# KiCad board phnx.kicad_pcb (continued)
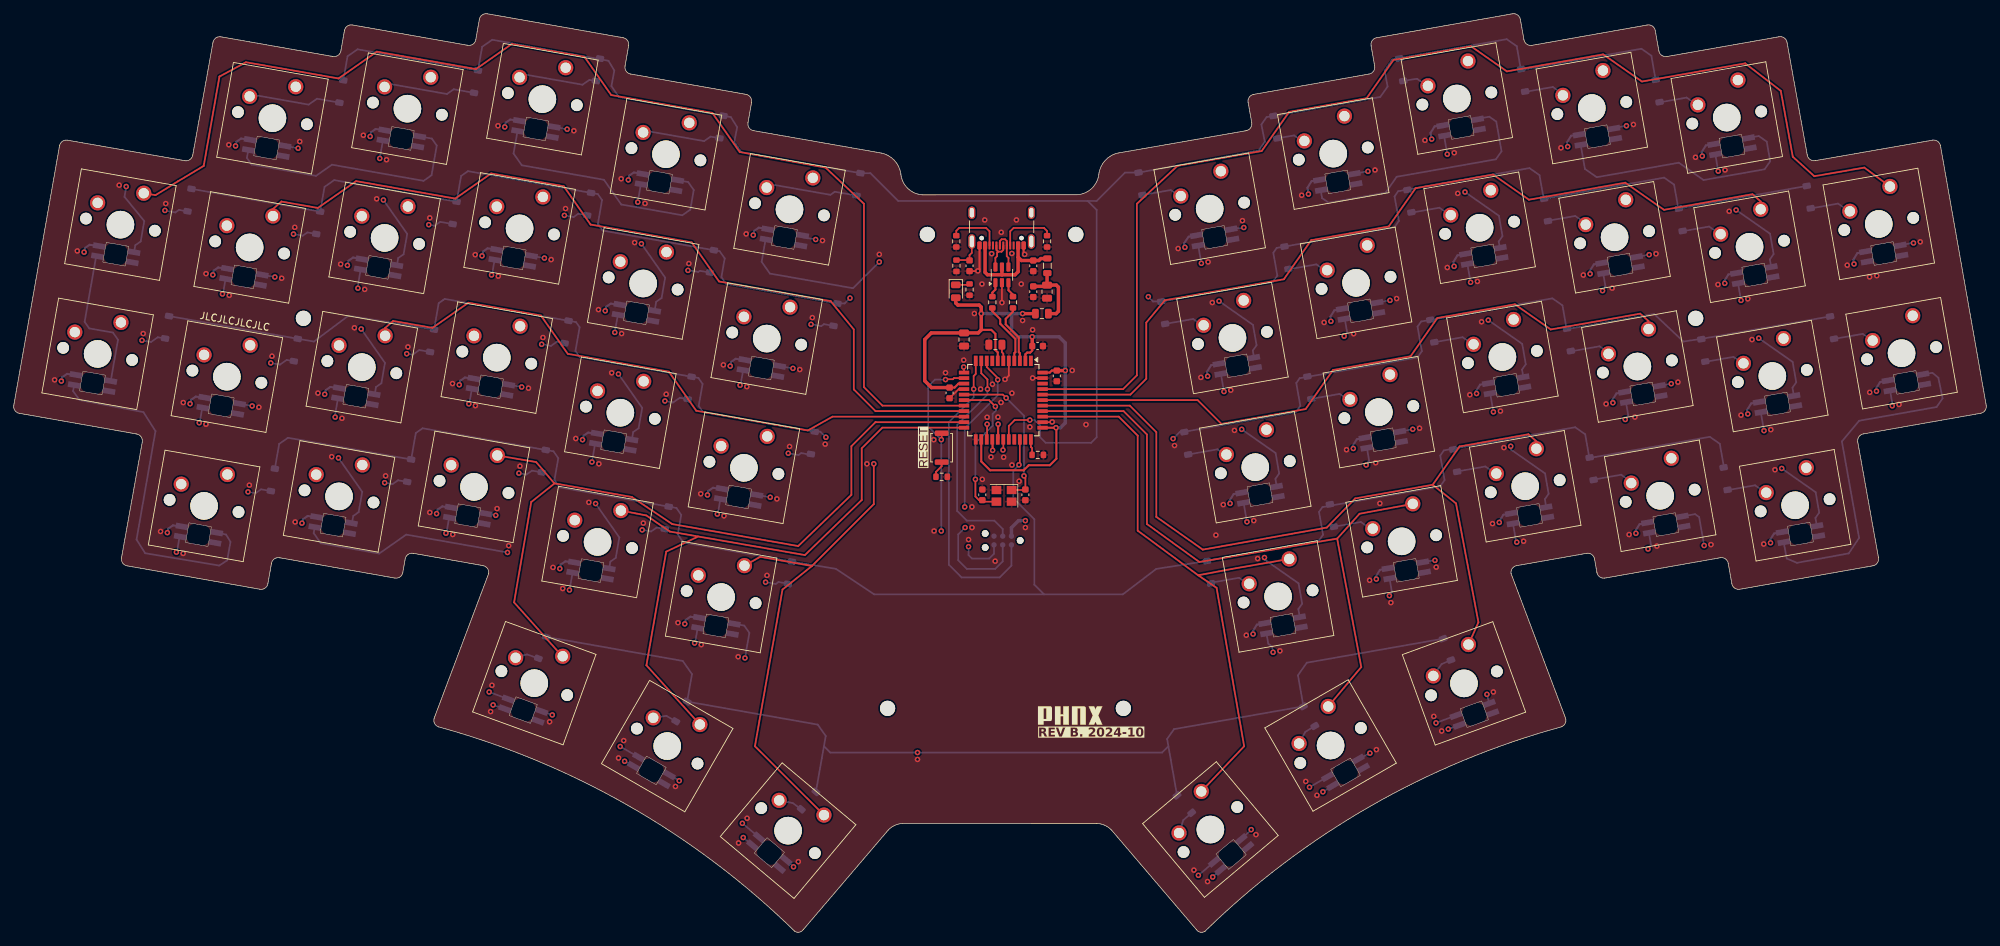
[diagram p0: board, top side]
## Routing (per net, layer and track width the routed paths; a pad name or vN(x,y) marks a point on that pad's centre or on a via; arc(x,y) is an arc through that point) (continued)
XTAL1: length 22.7
  Top w0.25: U1.17 141.54,77.24 v1(142.46,76.32) ; v1(139.57,65.74) 139.57,63.24 140.09,62.72 C10.2 140.79,62.49 Y2.3
  Bottom w0.25: v1(139.57,65.74) 139.57,71.03 142.07,73.53 142.07,75.24 142.57,75.74 142.57,76.21 v1(142.46,76.32)
XTAL2: length 22.8
  Top w0.25: Y2.1 146.74,64.19 C11.2 146.82,65.93 v1(146.61,66.24) ; v1(144.03,77.55) 143.55,78.04 U1.16
  Bottom w0.25: v1(144.03,77.55) 146.61,74.97 v1(146.61,66.24)
Net-(D109-K): length 2.1
  Top w0.25: D109.1 138.57,93.98 R8.1
Net-(D402-A): length 13.5
  In2.Cu w0.3: 12.22,105.86 12.92,106.36 21.98,104.76
  Bottom w0.25: 25.21,104.63 23.98,104.85 23.46,104.49 21.93,104.75
  vias: v1(21.93,104.77)
Net-(D403-A): length 13.9
  In2.Cu w0.3: 8.69,87.04 8.79,87.02 9.5,87.52 18.64,85.9 18.64,85.89
  Bottom w0.25: 21.93,86.18 20.9,86.37 19.91,85.68 18.58,85.91
  vias: v1(18.61,85.91)
Net-(D405-A): length 13.6
  Bottom w0.25: D405.2 44.01,120.99 42.79,120.14 34.59,121.58 SW405.2
Net-(D406-A): length 13.6
  In2.Cu w0.3: v1(40.59,101.34) 31.47,102.95 30.9,102.55 30.88,102.43
  Bottom w0.25: D406.2 42.61,101.58 41.93,101.11 v1(40.59,101.34)
Net-(D407-A): length 13.9
  In2.Cu w0.3: 27.34,83.77 27.51,83.74 28.22,84.23 v1(37.29,82.63)
  Bottom w0.25: D407.2 39.6,83.08 38.63,82.4 v1(37.29,82.63)
Net-(D408-A): length 13.8
  In2.Cu w0.3: v1(33.99,63.92) 24.97,65.51 24.26,65.02 24.04,65.05
  Bottom w0.25: v1(33.99,63.92) 35.09,63.73 35.89,64.29 D408.2
Net-(D409-A): length 13.5
  Bottom w0.25: D409.2 63.85,122.36 62.86,121.67 54.45,123.16 SW409.2
Net-(D410-A): length 13.7
  In2.Cu w0.3: 50.67,103.77 50.72,104.1 51.05,104.32 v1(60.23,102.71)
  Bottom w0.25: D410.2 61.88,103.12 61.08,102.56 v1(60.23,102.71)
Net-(D411-A): length 13.8
  In2.Cu w0.3: 47.37,85.06 47.42,85.34 47.8,85.6 v1(57.03,83.98)
  Bottom w0.25: v1(57.03,83.98) 57.88,83.83 58.85,84.51 D411.2
Net-(D412-A): length 13.8
  In2.Cu w0.3: v1(53.82,65.25) 44.55,66.88 43.84,66.39 43.82,66.39
  Bottom w0.25: D412.2 55.77,65.61 54.97,65.05 v1(53.82,65.25)
Net-(D413-A): length 11.6
  Bottom w0.25: SW413.2 74.03,124.53 82.54,123.03 83.53,123.72 D413.2
Net-(D414-A): length 13.7
  In2.Cu w0.3: 70.2,105.15 70.25,105.44 70.62,105.7 v1(79.91,104.06)
  Bottom w0.25: v1(79.91,104.06) 81.25,103.82 81.93,104.3 D414.2
Net-(D415-A): length 13.8
  In2.Cu w0.3: v1(76.61,85.35) 67.37,86.98 66.66,86.48 66.66,86.48
  Bottom w0.25: v1(76.61,85.35) 77.95,85.11 78.81,85.71 D415.2
Net-(D416-A): length 13.8
  In2.Cu w0.3: v1(73.31,66.64) 64.12,68.26 63.41,67.76 63.36,67.77
  Bottom w0.25: D416.2 75.21,67 74.41,66.44 v1(73.31,66.64)
Net-(D417-A): length 3.5
  Bottom w0.25: SW417.2 74.48,40.32 D417.2
Net-(D418-A): length 11.5
  Bottom w0.25: SW418.2 91.69,116.34 100.19,114.84 101.12,115.49 D418.2
Net-(D419-A): length 13.5
  In2.Cu w0.3: v1(97.85,96.07) 88.57,97.71 88.13,97.4 88.09,97.17
  Bottom w0.25: v1(97.85,96.07) 97.89,96.1 99.33,95.85 99.56,96.01 D419.2
Net-(D420-A): length 14
  In2.Cu w0.3: v1(94.5,77.11) 85.03,78.79 84.53,78.44 84.5,78.26
  Bottom w0.25: v1(94.5,77.11) 95.48,76.94 95.49,76.93 95.68,76.89 96.67,77.58 D420.2
Net-(D421-A): length 13.9
  In2.Cu w0.3: v1(91.2,58.4) 81.78,60.07 81.22,59.68 81.2,59.55
  Bottom w0.25: D421.2 93.3,58.74 92.5,58.18 v1(91.2,58.4)
Net-(D422-A): length 3.6
  Bottom w0.25: 92.89,31.18 SW422.2 94.71,31.41 D422.2
Net-(D423-A): length 13.5
  Bottom w0.25: SW423.2 109.92,108.55 118.51,107.04 119.16,107.49 D423.2
Net-(D424-A): length 13.6
  In2.Cu w0.3: 105.98,89.19 106.01,89.36 106.67,89.83 v1(115.71,88.24)
  Bottom w0.25: v1(115.71,88.24) 117.18,87.98 117.59,88.26 D424.2
Net-(D425-A): length 13.5
  In2.Cu w0.3: v1(112.41,69.53) 103.42,71.11 102.7,70.6 102.68,70.48
  Bottom w0.25: 115.67,69.31 114.29,69.55 113.89,69.27 v1(112.41,69.53)
Net-(D426-A): length 13.5
  In2.Cu w0.3: v1(109.11,50.82) 100.17,52.39 99.39,51.84 99.38,51.77
  Bottom w0.25: v1(109.11,50.82) 110.59,50.56 110.99,50.84 112.37,50.6
Net-(D427-A): length 3.5
  Bottom w0.25: SW427.2 113.07,18.74 D427.2
Net-(D428-A): length 6.1
  Bottom w0.25: 163.81,107.01 167.91,107.74 169.49,106.63
Net-(D429-A): length 6.1
  Bottom w0.25: 172.8,87.87 171.16,89.02 167.1,88.3
Net-(D430-A): length 6
  Bottom w0.25: 176.11,69.11 174.7,70.1 170.5,69.36
Net-(D431-A): length 6
  Bottom w0.25: 179.41,50.35 177.84,51.46 173.78,50.74
Net-(D432-A): length 3.6
  Bottom w0.25: SW432.2 169.73,16.26 D432.2
Net-(D433-A): length 4.4
  Bottom w0.25: 187.39,114.56 185.81,115.67 D433.2
Net-(D434-A): length 6.1
  Bottom w0.25: 185,96.23 189.06,96.95 190.69,95.8
Net-(D435-A): length 6.1
  Bottom w0.25: D435.2 192.42,78.14 194,77.04
Net-(D436-A): length 6.4
  Bottom w0.25: 197.31,58.28 195.49,59.55 D436.2 191.62,58.71 191.67,58.67
Net-(D437-A): length 3.5
  Bottom w0.25: D437.2 187.44,29.08 SW437.2
Net-(D438-A): length 4
  Bottom w0.25: 205.23,122.78 203.65,123.89 D438.2
Net-(D439-A): length 6.1
  Bottom w0.25: 202.84,104.45 206.9,105.17 208.54,104.02
Net-(D440-A): length 6.1
  Bottom w0.25: 211.84,85.26 210.27,86.37 D440.2
Net-(D441-A): length 6
  Bottom w0.25: 209.52,66.89 213.57,67.61 215.15,66.5
Net-(D442-A): length 3.6
  Bottom w0.25: SW442.2 207.22,38.92 D442.2
Net-(D443-A): length 6.1
  Bottom w0.25: 224.94,121.59 223.36,122.69 219.25,121.97
Net-(D444-A): length 6.1
  Bottom w0.25: 222.55,103.26 226.61,103.97 228.24,102.83
Net-(D445-A): length 6
  Bottom w0.25: 225.94,84.31 230.14,85.05 231.55,84.07
Net-(D446-A): length 6
  Bottom w0.25: 234.86,65.31 233.28,66.41 229.22,65.7
Net-(D447-A): length 6.1
  Bottom w0.25: 244.37,120.05 242.79,121.16 238.68,120.43
Net-(D448-A): length 6.1
  Bottom w0.25: 241.98,101.72 246.04,102.44 247.67,101.29
Net-(D449-A): length 6
  Bottom w0.25: 245.37,82.78 249.57,83.52 250.98,82.53
Net-(D450-A): length 6
  Bottom w0.25: 248.65,64.16 252.71,64.87 254.29,63.77
Net-(D452-A): length 6.1
  Bottom w0.25: 260.7,105.05 264.76,105.77 266.39,104.62
Net-(D453-A): length 6
  Bottom w0.25: 264.14,86.12 268.34,86.86 269.75,85.87
Net-(D502-DOUT): length 21.7
  Bottom w0.25: 11.96,98.14 10.28,88.61 10.95,87.65 14.4,87.04 15.13,86 14.07,79.99
Net-(D503-DOUT): length 51.1
  Bottom w0.25: D503.2 8.6,78.55 9.57,77.24 18.82,75.49 20.57,72.74 17.82,56.99 19.07,55.02 29.82,53.23 30.97,53.97 31.45,56.66 30.8,57.73 D508.4
Net-(D505-DIN): length 46.7
  In1.Cu w0.3: v1(41.27,113.8) 40.61,110.11 39.46,109.3 27.64,111.24 26.48,110.57 23.61,94.32 24.43,93.16 29.7,92.23 v1(30.29,92.65)
  Bottom w0.25: D505.4 v1(41.27,113.8) ; D506.2 30.36,92.7 v1(30.29,92.65)
Net-(D505-DOUT): length 37
  Bottom w0.25: D505.2 33.83,112.4 34.5,111.44 43.86,109.79 46.18,111.42 59.47,109.07 60.63,109.88 61.39,114.19 60.68,115.2 D509.4
Net-(D506-DIN): length 46.6
  In1.Cu w0.3: v1(26.92,73.95) 26.33,73.54 21.05,74.47 20.24,75.62 23.06,91.59 24.26,92.43 35.79,90.4 37.24,91.41 v1(37.89,95.11)
  Bottom w0.25: 27.37,76.15 26.99,74 v1(26.92,73.95) ; 36,95.44 v1(37.89,95.11)
Net-(D507-DIN): length 46.7
  In1.Cu w0.3: v1(23.6,55.17) 23.09,54.81 17.75,55.76 16.94,56.91 19.78,73 20.84,73.74 32.49,71.69 33.94,72.7 v1(34.59,76.39)
  Bottom w0.25: 32.7,76.73 v1(34.59,76.39) ; v1(23.6,55.17) 23.68,55.22 24.07,57.43
Net-(D509-DOUT): length 20.2
  In1.Cu w0.3: v1(53.65,106.29) 53.95,108.01 52.68,109.84 v1(53.11,112.32)
  Bottom w0.25: D510.4 55.79,97.86 56.58,98.41 57.1,101.37 v1(53.65,106.29) ; v1(53.11,112.32) D509.2
Net-(D510-DOUT): length 20.2
  In1.Cu w0.3: v1(49.94,93.49) 49.51,91.03 50.73,89.29 v1(50.42,87.57)
  Bottom w0.25: 50.35,96.21 49.88,93.58 v1(49.94,93.49) ; v1(50.42,87.57) 53.87,82.64 53.35,79.69 52.57,79.14 52.38,78.08
Net-(D511-DOUT): length 20.2
  In1.Cu w0.3: v1(47.12,68.85) 47.43,70.58 46.21,72.31 v1(46.65,74.78)
  Bottom w0.25: v1(46.65,74.78) 46.58,74.86 47.05,77.5 ; v1(47.12,68.85) 50.57,63.93 50.05,60.98 49.27,60.43 49.08,59.37
Net-(D512-DOUT): length 59.4
  In2.Cu w0.3: v1(71.65,55.13) 73.36,52.69 72.32,46.24 79.32,36.49 78.32,33.99 78.64,32.89 v1(78.16,31.54)
  Bottom w0.25: D512.2 43.52,57.94 44.56,56.46 53.03,54.97 56.95,57.72 v1(71.65,55.13) ; D517.4 v1(78.16,31.54)
Net-(D513-DIN): length 46.7
  In1.Cu w0.3: v1(80.31,116.57) 79.66,112.87 78.21,111.86 66.56,113.91 65.5,113.17 62.66,97.08 63.47,95.93 68.75,95 v1(69.34,95.41)
  Bottom w0.25: v1(69.34,95.41) 69.41,95.46 69.79,97.61 ; 78.42,116.9 v1(80.31,116.57)
Net-(D513-DOUT): length 38.1
  Bottom w0.25: D513.2 72.53,113.04 73.73,111.33 85.65,109.23 88.16,105.64 97.02,104.07 98.18,104.89 98.69,107.74 97.87,108.9 D518.4
Net-(D514-DIN): length 46.7
  In1.Cu w0.3: v1(66.04,76.7) 65.45,76.28 60.17,77.21 59.36,78.37 62.2,94.46 63.26,95.2 74.91,93.15 76.36,94.16 v1(77.01,97.85)
  Bottom w0.25: 75.12,98.19 v1(77.01,97.85) ; 66.49,78.89 66.11,76.75 v1(66.04,76.7)
Net-(D515-DIN): length 46.7
  In1.Cu w0.3: v1(62.72,57.92) 62.21,57.56 56.87,58.5 56.06,59.66 58.9,75.75 59.96,76.49 71.62,74.44 73.06,75.45 v1(73.71,79.14)
  Bottom w0.25: 63.19,60.18 62.8,57.97 v1(62.72,57.92) ; 71.82,79.48 v1(73.71,79.14)
Net-(D516-DIN): length 32.9
  In1.Cu w0.3: v1(69.57,32.99) 68.32,33.49 67.11,35.22 71.3,58.96 70.24,60.46 v1(69.95,60.51)
  Bottom w0.25: v1(69.95,60.51) D516.4 ; v1(69.57,32.99) D517.2
Net-(D518-DOUT): length 20.2
  In1.Cu w0.3: v1(91.09,99.94) 91.39,101.66 90.12,103.49 v1(90.56,105.98)
  Bottom w0.25: v1(91.09,99.94) 94.54,95.02 94.02,92.06 93.23,91.52 93.05,90.46 ; v1(90.56,105.98) 91.02,108.59
Net-(D519-DOUT): length 20.2
  In1.Cu w0.3: v1(87.22,87.07) 86.78,84.58 88.06,82.76 v1(87.76,81.03)
  Bottom w0.25: v1(87.22,87.07) 87.68,89.68 ; 89.71,71.55 89.9,72.61 90.68,73.16 91.2,76.11 v1(87.76,81.03)
Net-(D520-DOUT): length 20.2
  In1.Cu w0.3: v1(83.9,68.26) 83.47,65.77 84.74,63.95 v1(84.44,62.22)
  Bottom w0.25: v1(84.44,62.22) 87.89,57.3 87.37,54.35 86.58,53.8 86.4,52.74 ; v1(83.9,68.26) 84.36,70.87
Net-(D521-DOUT): length 42.1
  In1.Cu w0.3: v1(96.58,21.99) 97.32,23.24 97.82,27.99 95.57,31.24 87.97,39.96 89.1,46.36 87.64,48.45 v1(80.64,49.68)
  Bottom w0.25: D522.4 v1(96.58,21.99) ; v1(80.64,49.68) 80.66,49.69 D521.2
Net-(D522-DOUT): length 40.6
  In1.Cu w0.3: v1(113.17,9.49) 114.32,8.49 114.32,7.24 113.07,5.74 110.57,5.99 99.57,15.24 88.57,21.74 88.07,23.74 v1(88.65,24.81)
  Bottom w0.25: v1(113.17,9.49) D527.4 ; D522.2 v1(88.65,24.81)
Net-(D523-DIN): length 46.7
  In1.Cu w0.3: v1(105.41,79.4) 104.82,78.99 99.54,79.92 98.73,81.08 101.57,97.17 102.62,97.91 114.28,95.85 115.73,96.87 v1(116.38,100.56)
  Bottom w0.25: 105.85,81.6 105.48,79.45 v1(105.41,79.4) ; 114.49,100.89 v1(116.38,100.56)
Net-(D524-DIN): length 46.7
  In1.Cu w0.3: v1(102.11,60.69) 101.52,60.28 96.24,61.21 95.43,62.37 98.27,78.46 99.33,79.2 110.98,77.14 112.43,78.15 v1(113.08,81.85)
  Bottom w0.25: 111.19,82.18 v1(113.08,81.85) ; v1(102.11,60.69) 102.18,60.74 102.56,62.89
Net-(D525-DIN): length 46.7
  In1.Cu w0.3: v1(109.78,63.14) 109.13,59.44 107.68,58.43 96.03,60.48 94.97,59.74 92.13,43.66 92.94,42.5 98.22,41.57 v1(98.81,41.98)
  Bottom w0.25: 107.89,63.47 v1(109.78,63.14) ; v1(98.81,41.98) 98.88,42.03 99.26,44.18
Net-(D526-DIN): length 36.2
  In1.Cu w0.3: v1(105.87,13.74) 103.07,16.24 107.09,38.42 v1(106.12,39.81)
  Bottom w0.25: v1(106.12,39.81) 106.76,43.45 106.02,44.51 D526.4 ; D527.2 v1(105.87,13.74)
Net-(D528-DOUT): length 20.2
  In1.Cu w0.3: v1(174.92,91.61) 174.62,93.33 172.8,94.61 v1(172.36,97.1)
  Bottom w0.25: v1(172.36,97.1) 171.9,99.71 ; v1(174.92,91.61) 179.85,88.16 180.37,85.21 179.82,84.43 180.01,83.37
Net-(D529-DOUT): length 20.2
  In1.Cu w0.3: v1(178.21,73) 177.9,74.72 176.08,76 v1(175.64,78.49)
  Bottom w0.25: 183.29,64.75 183.1,65.81 183.65,66.6 183.13,69.55 v1(178.21,73) ; v1(175.64,78.49) 175.18,81.09
Net-(D530-DOUT): length 20.2
  In1.Cu w0.3: v1(181.51,54.39) 181.25,55.87 179.4,57.16 v1(178.97,59.58)
  Bottom w0.25: 186.62,45.85 186.44,46.91 186.98,47.69 186.46,50.64 181.54,54.09 181.49,54.36 v1(181.51,54.39) ; v1(178.97,59.58) 178.51,62.19
Net-(D531-DOUT): length 34.8
  In1.Cu w0.3: v1(182.77,40.64) 181.1,40.34 179.51,38.08 183.32,17.99 179.69,14.91 v1(179.59,14.89)
  Bottom w0.25: D531.2 182.07,41.87 182.62,41.49 v1(182.77,40.64) ; v1(179.59,14.89) D532.4
Net-(D532-DOUT): length 38
  In2.Cu w0.3: v1(196.82,25.99) 198.82,22.74 198.07,20.99 186.94,14.65 178.07,7.24 174.84,7.1 v1(174,8.02)
  Bottom w0.25: D537.4 v1(196.82,25.99) ; D532.2 v1(174,8.02)
Net-(D533-DIN): length 46.4
  In1.Cu w0.3: 187.77,85.29 186.61,86.11 183.79,102.07 184.63,103.27 196.17,105.31 197.18,106.76 v1(196.53,110.45) ; v1(193.08,86.53) 192.84,86.18 187.82,85.29
  Bottom w0.25: 193.17,89.03 193.51,87.14 v1(193.08,86.53) ; 194.64,110.11 v1(196.53,110.45)
Net-(D533-DOUT): length 37
  Bottom w0.25: 189.68,107.72 189.88,106.56 190.84,105.89 199.08,107.34 200.71,109.66 215.11,112.2 215.92,113.36 215.16,117.67 214.15,118.38 212.37,118.07
Net-(D534-DIN): length 46.4
  In1.Cu w0.3: 190.97,66.57 189.81,67.38 186.99,83.34 187.83,84.54 199.37,86.58 200.38,88.03 v1(199.73,91.72) ; 191.02,66.59 196.04,67.48 v1(196.28,67.83)
  Bottom w0.25: v1(196.28,67.83) 196.71,68.44 196.37,70.33 ; 197.84,91.39 v1(199.73,91.72)
Net-(D535-DIN): length 46.6
  In1.Cu w0.3: v1(203.03,73.01) 203.68,69.32 202.67,67.87 191.13,65.83 190.29,64.63 193.12,48.59 194.13,47.88 v1(199.65,48.85)
  Bottom w0.25: v1(199.65,48.85) 200.01,49.38 199.62,51.59 ; 201.14,72.67 v1(203.03,73.01)
Net-(D536-DIN): length 56.9
  In1.Cu w0.3: v1(206.26,53.98) 206.3,54.04 206.89,54.14 208.11,53.29 208.72,49.84 207.74,48.45 197.99,46.73 196.05,43.95 199.68,23.24 198.85,21.96 193.57,18.99 190.45,19.52 v1(190,20.38)
  Bottom w0.25: D537.2 v1(190,20.38) ; D536.4 206.2,54.02 v1(206.26,53.98)
Net-(D538-DOUT): length 20.2
  In1.Cu w0.3: v1(208.05,112.94) 208.49,110.45 210.31,109.17 v1(210.62,107.45)
  Bottom w0.25: v1(208.05,112.94) 207.59,115.55 ; v1(210.62,107.45) 215.54,104 216.06,101.05 215.51,100.26 215.7,99.21
Net-(D539-DOUT): length 20.2
  In1.Cu w0.3: v1(211.43,94.34) 211.87,91.85 213.69,90.58 v1(214,88.85)
  Bottom w0.25: 219.08,80.61 218.89,81.67 219.44,82.45 218.92,85.41 v1(214,88.85) ; v1(211.43,94.34) 210.97,96.95
Net-(D540-DOUT): length 20.2
  In1.Cu w0.3: v1(217.25,70.54) 217.22,70.56 217.01,71.77 215.18,73.04 v1(214.75,75.53)
  Bottom w0.25: 222.4,61.8 222.21,62.86 222.76,63.64 222.24,66.6 217.31,70.04 217.23,70.51 v1(217.25,70.54) ; v1(214.75,75.53) 214.29,78.14
Net-(D541-DOUT): length 31.4
  In1.Cu w0.3: v1(213.8,34.53) 212.93,39.46 214.88,42.24 212.66,54.84 213.31,55.77 v1(218.13,56.62)
  Bottom w0.25: D541.2 218.05,56.68 v1(218.13,56.62) ; D542.4 v1(213.8,34.53)
Net-(D542-DOUT): length 77.1
  In2.Cu w0.3: v1(245.33,56.13) 232.57,53.74 227.82,56.99 215.39,54.92 214.66,53.87 218.53,31.91 217.31,29.27 211.07,26.99 208.72,27.98 v1(208.19,29.48)
  Bottom w0.25: v1(245.33,56.13) 244.6,60.27 244,60.69 D546.4 ; D542.2 v1(208.19,29.48)
Net-(D543-DIN): length 46.4
  In1.Cu w0.3: 225.32,91.89 230.34,92.78 v1(230.58,93.13) ; 225.29,91.91 224.13,92.72 221.31,108.69 222.16,109.89 233.69,111.92 234.7,113.37 v1(234.05,117.06)
  Bottom w0.25: 230.67,95.63 231.01,93.74 v1(230.58,93.13) ; 232.16,116.73 v1(234.05,117.06)
Net-(D543-DOUT): length 38.1
  Bottom w0.25: 227.45,114.07 228.02,110.8 229.73,109.6 241.65,111.7 245.24,109.19 254.1,110.75 254.91,111.91 254.41,114.76 253.25,115.58 251.75,115.31
Net-(D544-DIN): length 46.4
  In1.Cu w0.3: v1(237.35,98.35) 238,94.66 236.99,93.21 225.45,91.18 224.61,89.98 227.43,74.01 228.59,73.2 ; v1(233.88,74.43) 233.64,74.08 228.62,73.19
  Bottom w0.25: 235.46,98.02 v1(237.35,98.35) ; v1(233.88,74.43) 234.31,75.04 233.97,76.93
Net-(D545-DIN): length 46.4
  In1.Cu w0.3: 231.92,54.39 236.94,55.28 v1(237.18,55.63) ; 231.79,54.47 230.63,55.28 227.81,71.25 228.66,72.45 240.19,74.48 241.2,75.93 v1(240.55,79.62)
  Bottom w0.25: 238.66,79.29 v1(240.55,79.62) ; 237.27,58.13 237.61,56.24 v1(237.18,55.63)
Net-(D547-DOUT): length 20.2
  In1.Cu w0.3: v1(249.97,104.84) 249.66,106.57 247.84,107.84 v1(247.37,110.48)
  Bottom w0.25: 255.05,96.6 254.86,97.66 255.41,98.44 254.89,101.39 v1(249.97,104.84) ; v1(247.37,110.48) 246.94,112.94
Net-(D548-DOUT): length 20.2
  In1.Cu w0.3: v1(250.68,91.72) 251.12,89.23 252.94,87.95 v1(253.25,86.23)
  Bottom w0.25: 258.33,77.99 258.15,79.05 258.69,79.83 258.17,82.78 v1(253.25,86.23) ; v1(250.68,91.72) 250.22,94.33
Net-(D549-DOUT): length 20.2
  In1.Cu w0.3: v1(254.02,72.81) 254.45,70.32 256.28,69.04 v1(256.58,67.32)
  Bottom w0.25: v1(254.02,72.81) 253.56,75.42 ; v1(256.58,67.32) 261.51,63.87 262.03,60.92 261.48,60.14 261.67,59.08
Net-(D550-DOUT): length 51
  Bottom w0.25: 256.87,56.61 257.32,54.24 258.8,53.62 266.32,54.99 267.82,57.24 265.32,71.24 267.82,74.24 279.07,76.24 279.94,77.49 279.32,80.49 278.45,81.2 277.07,80.99
Net-(D552-DIN): length 46.5
  In1.Cu w0.3: 275.71,100.08 276.36,96.39 275.35,94.94 263.81,92.9 262.97,91.7 265.79,75.74 266.95,74.92 272.22,75.85 272.63,76.45
  Bottom w0.25: 273.82,99.74 275.71,100.08 ; 272.68,76.51 272.3,78.66
  vias: v1(272.63,76.41) v1(275.71,100.05)
Net-(J1-CC1): length 8.5
  Top w0.25: R2.1 149.96,101.79 149.51,102.24 145.11,102.24 144.61,101.74 J1.A5
Net-(J1-CC2): length 8
  Top w0.25: R5.1 136.79,101.81 137.21,102.24 141.11,102.24 141.61,101.74 J1.B5
Net-(R7-Pad1): length 2.5
  Top w0.25: R7.1 133.84,66.82 134.66,67.64 SW55.2
Net-(U1-UCAP): length 2.4
  Top w0.25: U1.6 143.61,83.99 143.41,84.19 C9.1
Net-(U1-~{HWB}/PE2): length 2.3
  Top w0.25: R6.1 147.79,70.26 147.61,70.44 U1.33

## Copper pours and planes (outline as drawn; the poured copper is in the pictures)
GND on Top, Bottom, In1.Cu, In2.Cu: 342.52,192.89 -53.58,192.49 -53.58,-78.81 341.72,-79.91

## Text on the board
F.Silkscreen: JLCJLCJLCJLC | RESET | REV B. 2024-10
